# Altium PCB RK_NVR_DEMO1_RK3588_LP4XD200P232SD8_V21_20211228_final_lint.PcbDoc (part 16 of 29)
Units mm, origin at the board's own origin, x right, y up, seen from the top; angles counter-clockwise.
Board outline 170.08 x 169.98 mm, 8 copper layers (TOP, L2-GND1, L3-POWER1, L4-S1, L5-GND2, L6-S2, L7-GND3, BOTTOM), stack 2.118 mm thick; 1650 components, 1119 nets, 6165 pads, 15417 vias.
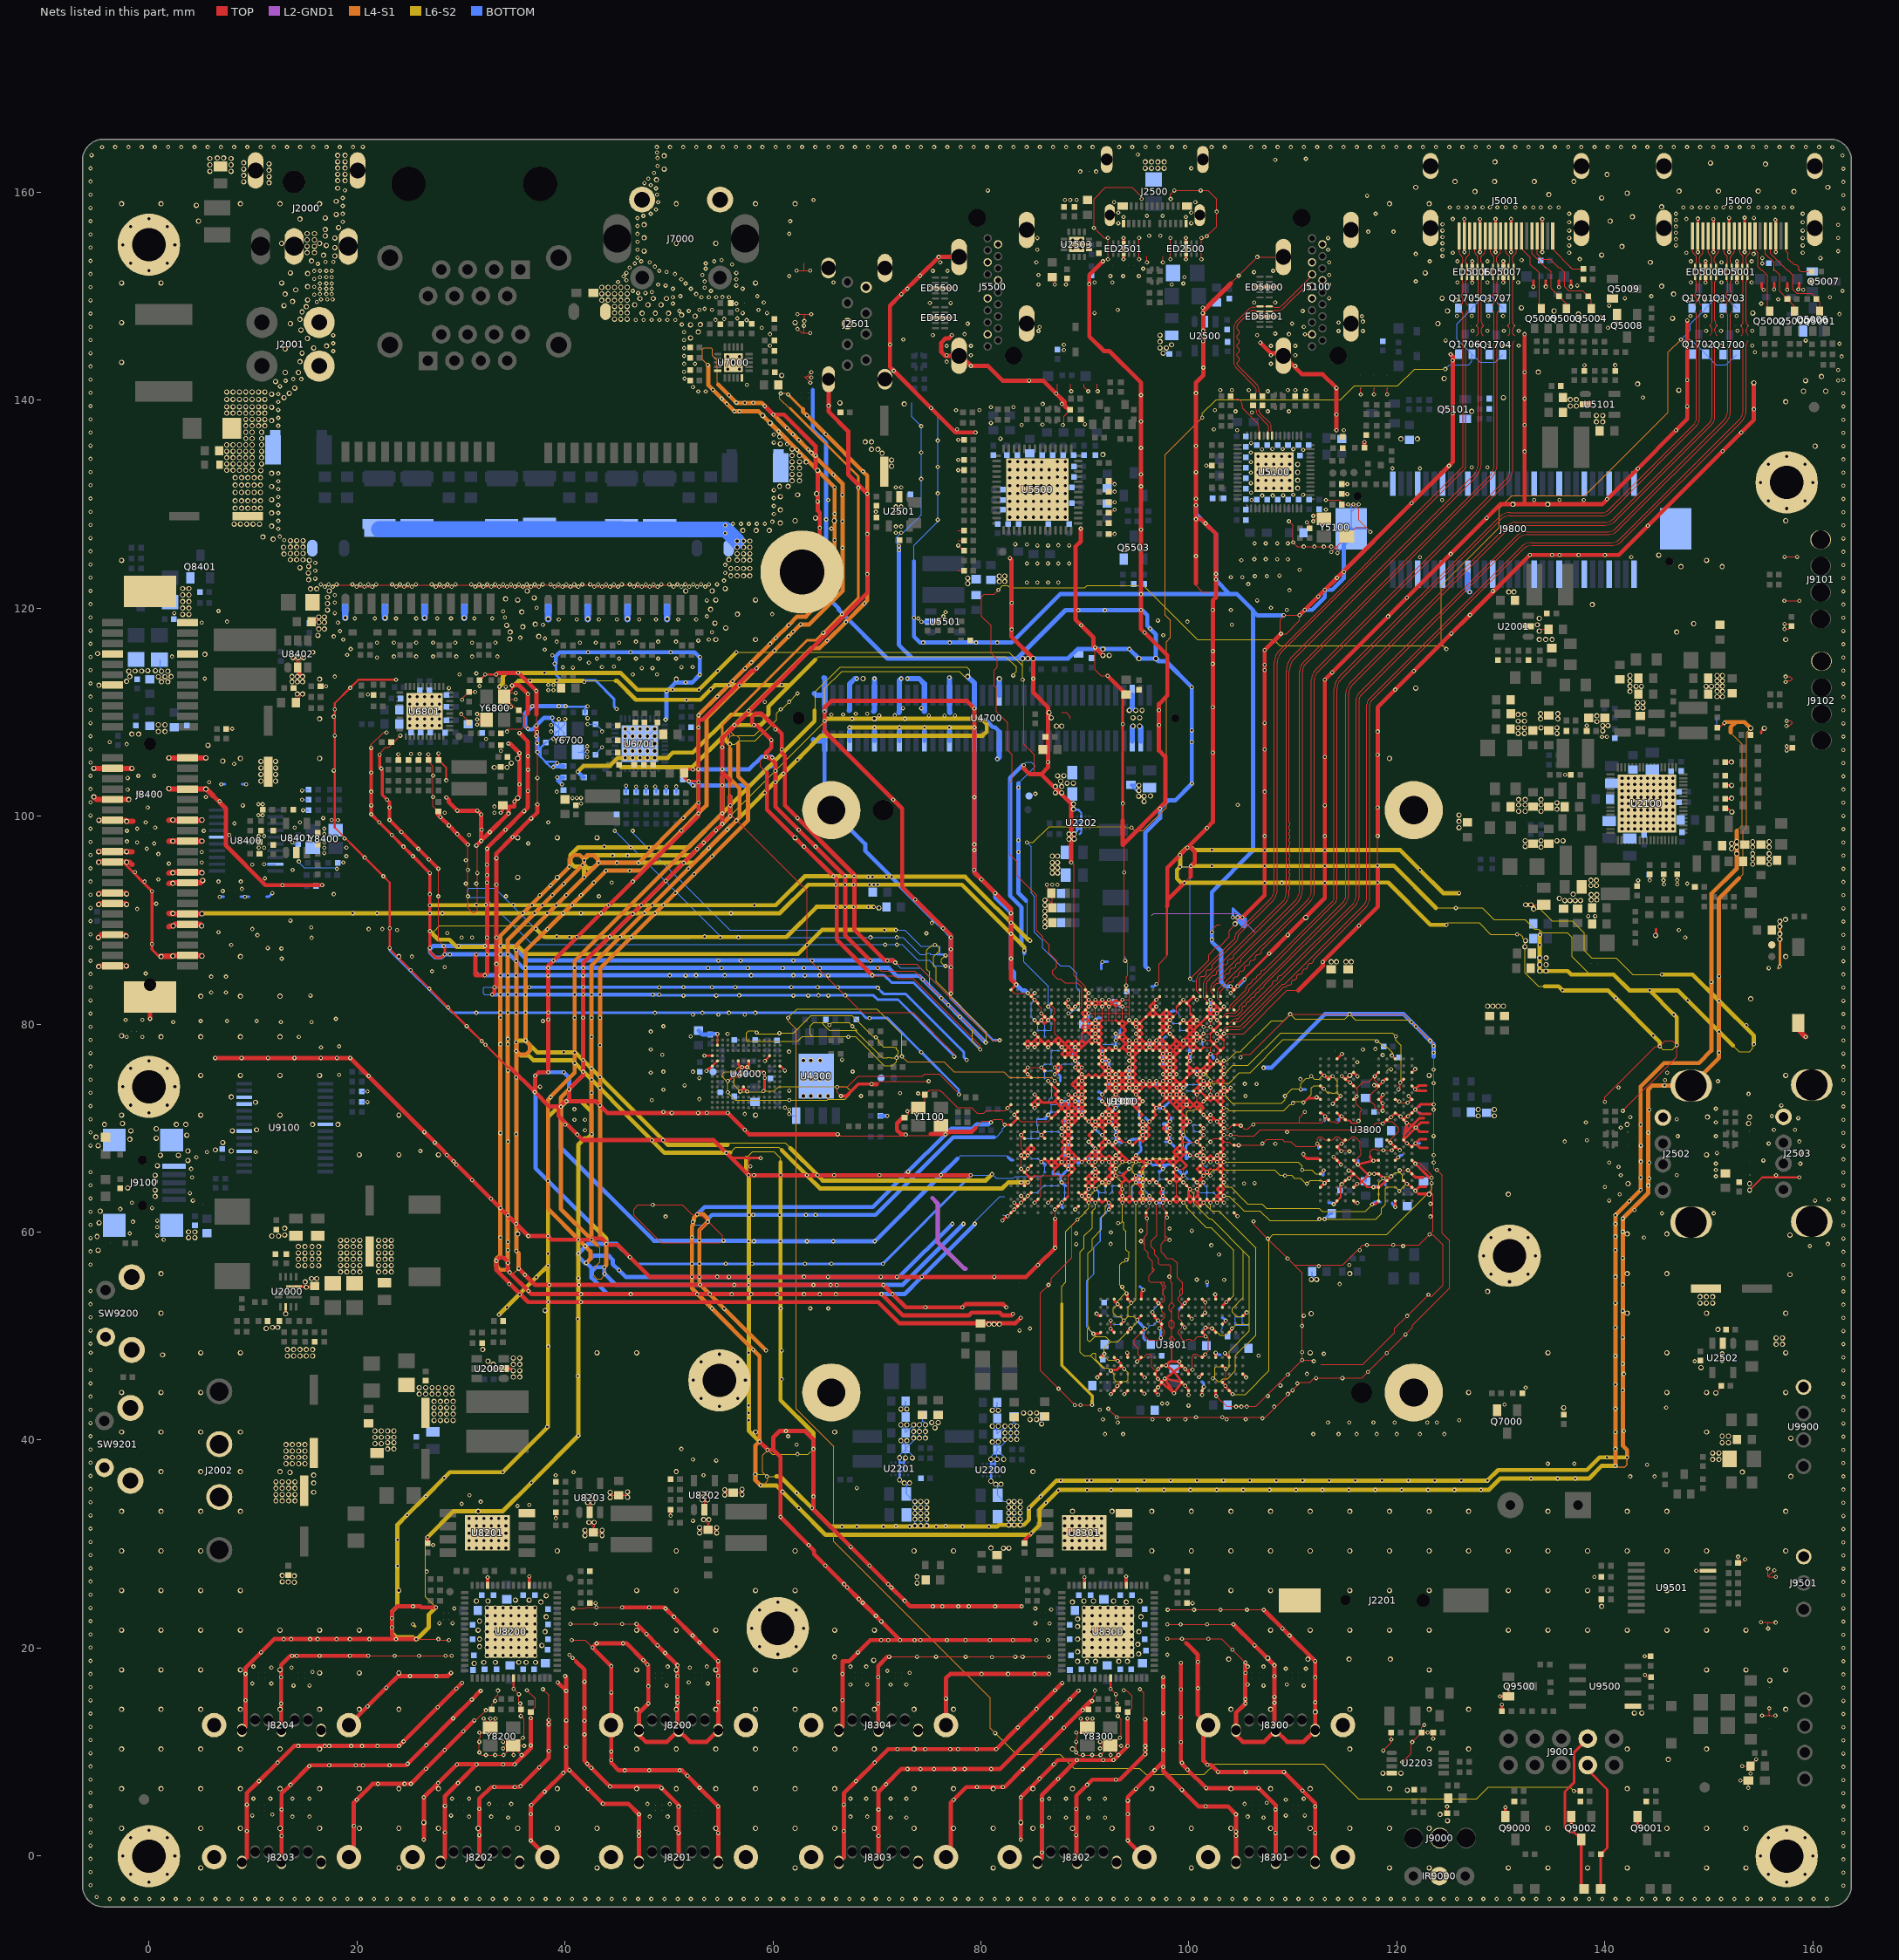
[diagram p22: the nets of this part, all layers, seen from the top]

## Via types
v1: diameter 0.4, hole 0.2, TOP to BOTTOM, 1688 vias
v2: diameter 0.4/0.4 (per signal layer), hole 0.2, TOP to L2-GND1, 1605 vias
v3: diameter 0/0/0/0/0/0/0/0.4 (per signal layer), hole 0.2, TOP to BOTTOM, 1253 vias
v4: diameter 0.4/0/0/0/0/0/0/0 (per signal layer), hole 0.2, TOP to BOTTOM, 1253 vias
v5: diameter 0.5, hole 0.3, TOP to BOTTOM, 857 vias
v6: diameter 0.4/0.4/0.4/0.4/0.4 (per signal layer), hole 0.2, L4-S1 to BOTTOM, 836 vias
v7: diameter 0/0/0/0/0/0/0/0.5 (per signal layer), hole 0.3, TOP to BOTTOM, 772 vias
v8: diameter 0.5/0/0/0/0/0/0/0 (per signal layer), hole 0.3, TOP to BOTTOM, 772 vias
v9: diameter 0.5/0.5 (per signal layer), hole 0.3, TOP to L2-GND1, 766 vias
v10: diameter 0.4/0.4 (per signal layer), hole 0.2, L7-GND3 to BOTTOM, 611 vias
v11: diameter 0.4/0.4/0.4/0.4 (per signal layer), hole 0.2, L5-GND2 to BOTTOM, 579 vias
v12: diameter 0.4 (per signal layer), hole 0.2, L6-S2 to L6-S2, 535 vias
v13: diameter 0.5/0.5/0.5/0.5/0.5 (per signal layer), hole 0.3, L4-S1 to BOTTOM, 457 vias
v14: diameter 0.5/0.5/0.5/0.5 (per signal layer), hole 0.3, L5-GND2 to BOTTOM, 455 vias
v15: diameter 0.4 (per signal layer), hole 0.2, L5-GND2 to L5-GND2, 418 vias
v16: diameter 0.5/0.5/0.5 (per signal layer), hole 0.3, TOP to L3-POWER1, 306 vias
v17: diameter 0.4 (per signal layer), hole 0.2, L4-S1 to L4-S1, 300 vias
v18: diameter 0.4/0.4/0.4 (per signal layer), hole 0.2, TOP to L3-POWER1, 287 vias
v19: diameter 0.5 (per signal layer), hole 0.3, L3-POWER1 to L3-POWER1, 242 vias
v20: diameter 0.5 (per signal layer), hole 0.3, L4-S1 to L4-S1, 240 vias
v21: diameter 0.5/0.5 (per signal layer), hole 0.3, L7-GND3 to BOTTOM, 192 vias
v22: diameter 0.5 (per signal layer), hole 0.3, L6-S2 to L6-S2, 166 vias
v23: diameter 0.4/0.4/0.4/0.4/0.4 (per signal layer), hole 0.2, TOP to L5-GND2, 134 vias
v24: diameter 0.5 (per signal layer), hole 0.3, L5-GND2 to L5-GND2, 114 vias
v25: diameter 0.5/0.5 (per signal layer), hole 0.3, L3-POWER1 to L4-S1, 111 vias
v26: diameter 0.4 (per signal layer), hole 0.2, L3-POWER1 to L3-POWER1, 93 vias
v27: diameter 0.4/0.4 (per signal layer), hole 0.2, L4-S1 to L5-GND2, 59 vias
v28: diameter 0.4/0.4/0/0/0.4/0/0.4/0.4 (per signal layer), hole 0.2, TOP to BOTTOM, 56 vias
v29: diameter 0.4/0/0/0.4/0/0/0/0.4 (per signal layer), hole 0.2, TOP to BOTTOM, 51 vias
v30: diameter 0.5/0.5 (per signal layer), hole 0.3, L4-S1 to L5-GND2, 46 vias
v31: diameter 0.4/0/0/0/0/0.4/0/0.4 (per signal layer), hole 0.2, TOP to BOTTOM, 42 vias
v32: diameter 0.5/0.5/0.5/0.5/0.5 (per signal layer), hole 0.3, TOP to L5-GND2, 32 vias
v33: diameter 0.4/0.4 (per signal layer), hole 0.2, L3-POWER1 to L4-S1, 29 vias
v34: diameter 0.4/0/0.4/0/0/0/0/0.4 (per signal layer), hole 0.2, TOP to BOTTOM, 29 vias
v35: diameter 0.4/0.4/0/0/0.4/0.4/0.4/0.4 (per signal layer), hole 0.2, TOP to BOTTOM, 21 vias
v36: diameter 0.5/0.5/0.5/0/0.5/0.5/0.5/0.5 (per signal layer), hole 0.3, TOP to BOTTOM, 4 vias
v37: diameter 0.5/0.5/0/0.5/0.5/0.5/0.5/0.5 (per signal layer), hole 0.3, TOP to BOTTOM, 3 vias
v38: diameter 0.4/0/0.4/0.4/0/0/0/0.4 (per signal layer), hole 0.2, TOP to BOTTOM, 2 vias
v39: diameter 0.4/0.4/0.4/0/0.4/0/0.4/0.4 (per signal layer), hole 0.2, TOP to BOTTOM, 1 vias

## Nets (pads, with @x,y where several pads share a name; then routed paths per layer and width w, separated by ;. In a path a pad name is that pad's centre, name@x,y a point inside that pad or via, vN(x,y) a via of type N, cw(c..) or ccw(c..) an arc to the next point about the centre after c; other vN are vias at no path point) (continued)
GND: (continued)
  other v16: 31.284,18.53 32.199,18.631 33.316,18.631 35.551,18.631 36.263,18.631 37.177,18.631 89.298,18.733 90.212,18.733 91.025,18.733 93.26,18.733 94.073,18.733 32.529,19.292 33.291,19.292 34.053,19.292 34.815,19.292 35.577,19.292 36.339,19.292 37.101,19.292 89.933,19.292 90.695,19.292 91.457,19.292 92.219,19.292 92.981,19.292 93.743,19.292 94.505,19.292 95.165,19.444 89.298,19.647 32.529,20.054 33.291,20.054 34.053,20.054 34.815,20.054 35.577,20.054 36.339,20.054 37.101,20.054 89.933,20.054 90.695,20.054 91.457,20.054 92.219,20.054 92.981,20.054 93.743,20.054 94.505,20.054 31.792,20.155 37.787,20.257 95.089,20.358 32.529,20.816 33.291,20.816 34.053,20.816 34.815,20.816 35.577,20.816 36.339,20.816 37.101,20.816 89.933,20.816 90.695,20.816 91.457,20.816 92.219,20.816 92.981,20.816 93.743,20.816 94.505,20.816 31.792,20.866 89.298,20.866 32.529,21.578 33.291,21.578 34.053,21.578 34.815,21.578 35.577,21.578 36.339,21.578 37.101,21.578 38.091,21.578 89.933,21.578 90.695,21.578 91.457,21.578 92.219,21.578 92.981,21.578 93.743,21.578 94.505,21.578 95.191,21.578 31.654,21.725 46.894,21.725 50.704,21.725 54.514,21.725 89.298,22.086 32.529,22.34 33.291,22.34 34.053,22.34 34.815,22.34 35.577,22.34 36.339,22.34 37.101,22.34 89.933,22.34 90.695,22.34 91.457,22.34 92.219,22.34 92.981,22.34 93.743,22.34 94.505,22.34 31.792,22.594 89.298,22.797 38.193,23 95.394,23 32.529,23.102 33.291,23.102 34.053,23.102 34.815,23.102 35.577,23.102 36.339,23.102 37.101,23.102 89.933,23.102 90.695,23.102 91.457,23.102 92.219,23.102 92.981,23.102 93.743,23.102 94.505,23.102 32.529,23.864 33.291,23.864 34.053,23.864 34.815,23.864 35.577,23.864 36.339,23.864 37.101,23.864 89.933,23.864 90.695,23.864 91.457,23.864 92.219,23.864 92.981,23.864 93.743,23.864 94.505,23.864 37.685,24.422 88.79,24.422 93.971,24.422 31.487,24.524 32.605,24.524 89.907,24.524 90.822,24.524 92.752,24.524 95.292,24.524 35.247,24.626 36.567,24.626 38.193,25.032 157.384,29.345 157.384,33.155 157.878,36.513 157.878,40.17 84.091,42.609 84.726,42.609 85.361,42.609 157.384,44.585 157.384,48.395 156.455,49.213 157.065,49.213 156.455,49.822 157.065,49.822 157.384,52.205 157.791,55.914 3.805,59.474 157.791,59.724 3.805,60.026 130.714,63.635 3.751,66.891 2.836,67.399 3.751,67.806 3.649,69.33 2.633,70.346 3.547,70.346 127.817,71.18 129.368,71.18 127.817,71.791 129.368,71.791 157.384,75.065 128.719,81.725 129.227,81.725 129.735,81.725 130.243,81.725 4.984,82.685 157.384,86.495 138.675,91.95 139.234,91.95 138.675,92.458 139.234,92.458 138.65,93.321 139.183,93.321 138.65,93.829 139.183,93.829 10.771,103.366 12.173,103.366 10.771,104.001 12.173,104.001 10.771,104.636 12.173,104.636 10.771,105.271 12.173,105.271 7.103,105.296 8.794,105.545 16.414,105.545 5.681,106.82 0.906,108.141 1.541,108.141 0.906,108.776 1.541,108.776 16.414,109.355 1.211,112.916 1.82,112.916 16.414,113.165 0.906,113.399 -1.837,113.424 2.125,113.424 -1.939,113.932 1.211,113.932 1.82,113.932 -1.329,113.957 -0.694,113.957 -0.11,113.983 0.626,113.983 5.376,115.558 15.739,115.761 157.384,116.975 16.247,117.386 3.243,119.393 3.852,119.393 17.162,119.825 3.243,120.003 3.852,120.003 17.162,120.434 3.243,120.638 3.852,120.638 3.243,121.273 3.852,121.273 15.536,121.857 3.243,121.882 3.852,121.882 93.87,125.616 106.646,131.534 107.408,131.534 108.17,131.534 108.932,131.534 109.694,131.534 110.456,131.534 106.646,132.296 107.408,132.296 108.17,132.296 108.932,132.296 109.694,132.296 110.456,132.296 106.646,133.058 107.408,133.058 108.17,133.058 108.932,133.058 109.694,133.058 110.456,133.058 106.646,133.82 107.408,133.82 108.17,133.82 108.932,133.82 109.694,133.82 110.456,133.82 106.646,134.582 107.408,134.582 108.17,134.582 108.932,134.582 109.694,134.582 120.388,136.284 121.962,136.284 88.841,154.623 89.603,154.623 88.841,155.385 89.603,155.385
  other v18: 86.754,13.275 81.068,19.139 97.934,19.368 80.865,20.765 85.336,20.765 86.453,20.765 86.606,22.365 27.932,22.39 29.202,22.39 85.234,22.39 86.758,23.711 29.354,23.813 85.234,23.813 93.159,41.694 113.377,41.694 115.409,41.694 117.746,41.694 119.778,41.694 91.736,41.999 96.511,41.999 98.035,41.999 99.661,41.999 103.623,41.999 105.452,41.999 107.078,42.1 91.431,42.913 87.469,44.945 103.395,55.41 100.753,55.436 159.707,58.662 161.434,58.865 95.394,60.135 98.133,60.334 4.229,63.03 160.215,63.03 161.536,63.132 3.954,63.742 4.157,65.266 156.456,65.469 4.055,66.078 158.792,66.586 155.236,66.891 158.792,67.602 155.744,68.517 158.691,68.72 156.252,69.838 158.284,69.838 158.589,70.955 156.049,71.158 156.964,72.174 2.328,80.201 5.986,83.046 7.408,83.046 5.986,84.57 7.408,84.57 7.916,87.618 6.697,88.837 138.396,90.375 139.056,90.375 7.103,92.799 6.697,93.714 143.197,93.815 1.922,95.441 5.071,95.543 5.071,96.559 7.713,98.184 5.275,98.591 8.221,99.302 10.528,100.093 9.034,101.029 10.528,101.148 10.935,101.148 6.799,101.435 5.478,101.842 5.783,103.264 8.196,105.017 5.376,113.221 2.227,115.355 5.071,118.606 7.51,118.707 2.43,119.52 6.697,119.723 95.394,125.616 95.394,127.546 113.174,129.477 106.015,130.391 124.35,130.391 107.05,130.826 108.056,130.829 109.066,130.841 110.024,130.899 110.987,130.9 105.983,131.102 105.96,132.017 105.96,133.033 119.575,133.439 122.216,133.439 127.195,133.541 128.719,133.541 105.96,134.049 105.96,134.963 110.989,135.217 107.035,135.268 108.022,135.297 109.024,135.299 110.037,135.283 105.988,135.878 81.881,136.297 104.639,137.097 114.901,137.097 102.404,137.199 83.913,137.605 85.92,137.656 90.009,137.681 80.967,137.808 106.062,138.824 104.487,138.926 107.586,138.926 109.618,138.926 102.506,139.027 107.586,140.856 104.132,140.958 105.757,140.958 109.516,140.958 110.228,140.958 111.244,140.958 90.924,148.375 90.924,151.321 95.956,157.722 97.473,157.722
  other v21: 142.841,13.754 143.552,13.754 54.514,14.105 58.324,14.105 62.134,14.105 65.944,14.105 69.754,14.105 73.564,14.105 77.374,14.105 104.044,14.105 107.854,14.105 115.474,14.105 123.094,14.105 126.904,14.105 155.846,16.904 50.704,17.915 54.514,17.915 58.324,17.915 62.134,17.915 123.094,17.915 149.764,17.915 153.574,17.915 157.384,17.915 31.284,18.53 32.199,18.631 33.316,18.631 35.551,18.631 36.263,18.631 37.177,18.631 89.298,18.733 90.212,18.733 91.025,18.733 93.26,18.733 94.073,18.733 32.529,19.292 33.291,19.292 34.053,19.292 34.815,19.292 35.577,19.292 36.339,19.292 37.101,19.292 32.529,20.054 33.291,20.054 34.053,20.054 34.815,20.054 35.577,20.054 36.339,20.054 37.101,20.054 31.792,20.155 37.787,20.257 32.529,20.816 33.291,20.816 34.053,20.816 34.815,20.816 35.577,20.816 36.339,20.816 37.101,20.816 31.792,20.866 32.529,21.578 33.291,21.578 34.053,21.578 34.815,21.578 35.577,21.578 36.339,21.578 37.101,21.578 38.091,21.578 31.654,21.725 50.704,21.725 54.514,21.725 130.714,21.725 134.524,21.725 138.334,21.725 142.144,21.725 145.954,21.725 149.764,21.725 153.574,21.725 32.529,22.34 33.291,22.34 34.053,22.34 34.815,22.34 35.577,22.34 36.339,22.34 37.101,22.34 31.792,22.594 38.193,23 32.529,23.102 33.291,23.102 34.053,23.102 34.815,23.102 35.577,23.102 36.339,23.102 37.101,23.102 32.529,23.864 33.291,23.864 34.053,23.864 34.815,23.864 35.577,23.864 36.339,23.864 37.101,23.864 37.685,24.422 31.487,24.524 32.605,24.524 35.247,24.626 36.567,24.626 38.193,25.032 73.855,26.861 39.274,29.345 50.704,29.345 62.134,29.345 73.564,29.345 77.374,29.345 41.927,30.823 43.578,30.823 41.927,31.331 43.578,31.331 42.308,32.093 42.816,32.093 72.635,35.878 73.143,35.878 72.178,36.183 134.524,48.395 142.144,52.205 142.144,56.015 145.954,56.015 153.916,64.046 153.915,64.656 115.474,75.065 157.384,75.065 128.719,81.725 129.227,81.725 129.735,81.725 130.243,81.725 113.682,85.992 114.19,85.992 115.104,85.992 115.612,85.992 157.384,86.495 104.436,89.65 111.243,90.259 133.861,97.016 133.861,97.625 135.385,97.625 135.969,97.625 141.647,98.768 152.203,100.406 131.702,100.47 132.337,100.47 133.861,100.47 152.188,101.719 152.185,102.959 154.017,108.446 155.338,108.446 94.632,108.649 95.267,108.649 94.632,109.462 95.267,109.462 94.276,110.173 94.886,110.173 95.495,110.173 150.793,111.482 151.301,111.482 150.793,111.99 151.301,111.99 143.516,112.482 149.739,112.482 150.247,112.482 150.793,112.498 151.301,112.498 150.793,113.006 151.301,113.006 142.411,113.514 150.793,113.514 151.301,113.514 95.191,115.151 96.816,115.151 13.86,115.253 14.368,115.253 14.876,115.253 91.736,115.456 92.346,115.456 15.739,115.761 91.736,116.066 54.514,116.975 58.324,116.975 34.688,117.031 146.905,117.691 55.465,118.098 148.531,118.504 54.424,118.555 56.583,119.418 91.736,134.76 133.596,142.685
  other v23: 107.179,16.396 111.04,16.396 67.454,16.498 69.079,16.498 71.315,16.498 72.839,16.498 105.655,16.498 109.415,16.498 53.738,16.599 51.909,16.701 73.143,17.615 71.01,17.819 109.313,18.022 111.243,18.022 52.011,18.123 53.636,18.225 67.454,18.225 68.978,18.225 105.655,18.225 107.179,18.225 141.012,50.838 57.84,66.307 40.022,70.346 40.911,70.803 150.664,71.87 153.814,73.292 145.991,75.324 47.388,114.237 48.423,114.237 40.768,114.277 39.795,114.315 51.207,114.322 43.564,114.338 52.283,114.338 44.703,114.37 42.308,114.745 41.444,115.151 43.07,115.151 45.203,115.151 46.829,115.151 48.963,115.151 50.69,115.151 21.937,115.253 53.001,115.304 23.563,115.355 25.696,115.355 27.322,115.355 29.557,115.355 31.081,115.355 33.519,115.354 38.803,115.456 19.067,115.507 38.066,116.015 19.397,116.066 21.937,116.675 23.563,116.675 25.696,116.675 27.322,116.675 29.455,116.675 31.081,116.675 33.316,116.675 41.444,116.675 42.968,116.675 45.203,116.675 39.209,116.777 46.829,116.777 48.963,116.777 50.69,116.777 52.823,116.879 18.686,116.98 77.715,137.199 79.849,139.027 80.967,139.332 83.126,139.332 85.945,139.637 87.774,139.637 97.251,155.817
  other v24: 31.284,18.53 32.199,18.631 33.316,18.631 35.551,18.631 36.263,18.631 37.177,18.631 89.298,18.733 90.212,18.733 91.025,18.733 93.26,18.733 94.073,18.733 32.529,19.292 33.291,19.292 34.053,19.292 34.815,19.292 35.577,19.292 36.339,19.292 37.101,19.292 32.529,20.054 33.291,20.054 34.053,20.054 34.815,20.054 35.577,20.054 36.339,20.054 37.101,20.054 31.792,20.155 37.787,20.257 32.529,20.816 33.291,20.816 34.053,20.816 34.815,20.816 35.577,20.816 36.339,20.816 37.101,20.816 31.792,20.866 32.529,21.578 33.291,21.578 34.053,21.578 34.815,21.578 35.577,21.578 36.339,21.578 37.101,21.578 38.091,21.578 31.654,21.725 50.704,21.725 54.514,21.725 32.529,22.34 33.291,22.34 34.053,22.34 34.815,22.34 35.577,22.34 36.339,22.34 37.101,22.34 31.792,22.594 38.193,23 32.529,23.102 33.291,23.102 34.053,23.102 34.815,23.102 35.577,23.102 36.339,23.102 37.101,23.102 32.529,23.864 33.291,23.864 34.053,23.864 34.815,23.864 35.577,23.864 36.339,23.864 37.101,23.864 37.685,24.422 31.487,24.524 32.605,24.524 35.247,24.626 36.567,24.626 38.193,25.032 39.274,29.345 50.704,29.345 43.578,30.823 43.578,31.331 115.474,75.065 157.384,75.065 128.719,81.725 129.227,81.725 129.735,81.725 130.243,81.725 113.682,85.992 114.19,85.992 115.104,85.992 115.612,85.992 157.384,86.495 104.436,89.65 111.243,90.259 133.861,97.016 133.861,97.625 135.385,97.625 135.969,97.625 141.647,98.768 132.337,100.47 133.861,100.47 94.632,108.649 95.267,108.649 94.632,109.462 95.267,109.462 94.276,110.173 95.191,115.151 96.816,115.151 13.86,115.253 14.368,115.253 14.876,115.253 91.736,115.456 92.346,115.456 15.739,115.761 91.736,116.066 91.736,134.76
  other v27: 130.1,14.56 129.906,15.363 130.722,16.244 66.841,26.153 71.082,26.141 69.286,27.937 65.045,27.949 67.49,29.733 63.43,29.91 39.14,32.482 30.822,34.703 62.272,39.561 61.459,40.374 61.256,40.882 92.494,59.979 104.666,61.531 107.078,68.517 73.956,73.343 72.229,73.368 141.317,73.902 74.972,74.511 89.716,74.531 95.565,74.531 78.63,76.543 84.515,77.781 85.165,77.781 86.466,77.781 87.766,77.781 31.081,88.329 32.503,88.329 33.418,88.329 17.771,92.494 22.545,94.224 101.731,98.857 71.567,101.589 97.121,108.751 151.477,108.954 97.121,110.173 59.717,116.572 74.454,116.692 76.994,116.692 65.211,116.871 53.839,116.98 60.284,117.139 61.51,117.285 64.85,117.632 54.144,117.691 61.95,117.728 61.513,118.368 62.65,118.428 67.007,118.667 74.277,118.691 73.982,119.012 73.566,119.071 76.395,119.215 59.935,119.418 66.646,119.429 76.598,119.622 132.275,142.685
  other v28: 99.971,44.332 101.271,44.332 92.496,44.431 93.798,44.43 95.719,44.458 95.757,46.02 91.196,46.031 105.496,46.031 100.968,46.052 95.02,47.555 103.474,48.353 94.069,48.396 99.599,50.827 100.275,51.674 91.123,52.156 102.527,54.01 114.616,66.505 121.118,73.081 90.366,82.331
  other v30: 123.094,14.105 126.904,14.105 130.714,21.725 134.524,21.725 138.334,21.725 142.144,21.725 145.954,21.725 149.764,21.725 73.855,26.861 62.134,29.345 73.564,29.345 77.374,29.345 41.927,30.823 41.927,31.331 42.308,32.093 42.816,32.093 72.635,35.878 73.143,35.878 72.178,36.183 152.203,100.406 152.188,101.719 152.185,102.959 154.017,108.446 155.338,108.446 94.886,110.173 95.495,110.173 150.793,111.482 151.301,111.482 150.793,111.99 151.301,111.99 143.516,112.482 150.793,112.498 151.301,112.498 150.793,113.006 151.301,113.006 142.411,113.514 150.793,113.514 151.301,113.514 54.514,116.975 58.324,116.975 146.905,117.691 55.465,118.098 148.531,118.504 54.424,118.555 56.583,119.418 133.596,142.685
  other v32: 142.841,13.754 143.552,13.754 54.514,14.105 58.324,14.105 62.134,14.105 65.944,14.105 69.754,14.105 73.564,14.105 77.374,14.105 104.044,14.105 107.854,14.105 115.474,14.105 155.846,16.904 50.704,17.915 54.514,17.915 58.324,17.915 62.134,17.915 123.094,17.915 149.764,17.915 153.574,17.915 157.384,17.915 153.574,21.725 134.524,48.395 142.144,52.205 142.144,56.015 145.954,56.015 153.915,64.656 131.702,100.47 149.739,112.482 150.247,112.482 34.688,117.031
  other v36: 129.059,59.49 1.768,72.21 2.5,73.978 1.768,75.746
  other v37: 58.701,23.676 62.237,23.676 60.469,24.408
  other v39: 111.015,67.501
HDD_LED+: J9001.7 LED9002.1 R9005.2 | length 12.9
  TOP w0.254: J9001.7@138.349,8.75 138.349,8.289 140.225,6.414 140.225,0.793 R9005.2@139.602,0.171 LED9002.1@139.602,-3.146
HDD_LED-: J9001.8 LED9002.2 Q9002.3 | length 16.4
  TOP w0.254: LED9002.2@138.002,-3.146 137.727,-2.87 Q9002.3@137.727,1.601 137.029,2.299 136.593,2.299 136.148,2.743 136.148,6.198 137.05,7.1 137.05,9.991 J9001.8@138.349,11.29
HDD_LED_EN_H_GPIO3_C1: R9008.1 U1000.Y27 | length 168
  TOP w0.102: v4(87.116,74.531) U1000.Y27@87.441,74.206 ; v4(137.024,6.261) R9008.1@137.641,6.261
  L4-S1 w0.089: 82.09,75.426 82.186,75.426 82.755,74.856 86.791,74.856 v4(87.116,74.531)
  L4-S1 w0.102: v4(61.459,80.607) 61.459,80.302 62.247,79.515 62.247,42.99 65.854,39.383 65.854,30.239 80.916,15.177 80.916,12.281 v4(81.373,11.824) ; v4(72.407,76.899) 72.915,76.391 76.445,76.391 77.411,75.426 82.09,75.426
  L6-S2 w0.102: v4(61.459,80.607) 62.323,81.471 70.014,81.471 72.407,79.078 v4(72.407,76.899) ; v4(81.373,11.824) 83.405,9.792 87.602,9.792 88.948,8.446 95.247,8.446 95.857,7.836 101.464,7.836 102.48,8.852 112.925,8.852 116.278,5.499 127.646,5.499 128.789,6.642 136.643,6.642 v4(137.024,6.261)
  other v3: 137.024,6.261 81.373,11.824 87.116,74.531 72.407,76.899 61.459,80.607
  other v12: 137.024,6.261 81.373,11.824 72.407,76.899 61.459,80.607
  other v17: 81.373,11.824 87.116,74.531 72.407,76.899 61.459,80.607
HDMI0_TX0N_PORT: C1701.2 ED5001.2 ED5001.9 J5000.9 R1706.1 | length 7
  TOP w0.076: C1701.2@152.254,149.133 cw(c152.674,149.553) 152.08,149.553 152.08,149.678 cw(c152.545,149.677) 152.217,150.007 R1706.1@152.286,150.076 cw(c152.786,150.576) 152.079,150.576 152.079,151.339 cw(c152.305,151.339) 152.145,151.499 ccw(c152.039,151.605) 152.189,151.605 ED5001.2@152.189,151.899 ED5001.9@152.189,152.774 152.189,153.042 ccw(c151.977,153.042) 152.127,153.192 cw(c152.286,153.351) 152.061,153.351 152.061,153.698 cw(c152.331,153.698) 152.14,153.889 152.331,154.08 ccw(c152.077,154.334) 152.437,154.334 J5000.9@152.437,155.791
HDMI0_TX0N_PORT/EDP0_TX_D0N: C1701.1 U1000.AJ1 | length 93.5
  TOP w0.076: U1000.AJ1@104.341,80.056 104.341,80.081 104.417,80.158 cw(c104.582,79.994) 104.582,80.226 104.639,80.226 ccw(c104.639,80.689) 104.967,80.362 115.898,91.293 ccw(c114.75,92.442) 116.374,92.442 116.374,111.29 cw(c116.742,111.291) 116.482,111.551 116.555,111.624 131.614,126.683 cw(c132.534,125.763) 132.534,127.064 140.2,127.064 ccw(c140.199,128.585) 141.275,127.51 141.416,127.65 151.645,137.879 ccw(c150.597,138.927) 152.079,138.927 152.079,148.209 cw(c152.677,148.209) C1701.1@152.254,148.632